# Altium PCB PCB.PcbDoc (part 5 of 10) (continued)
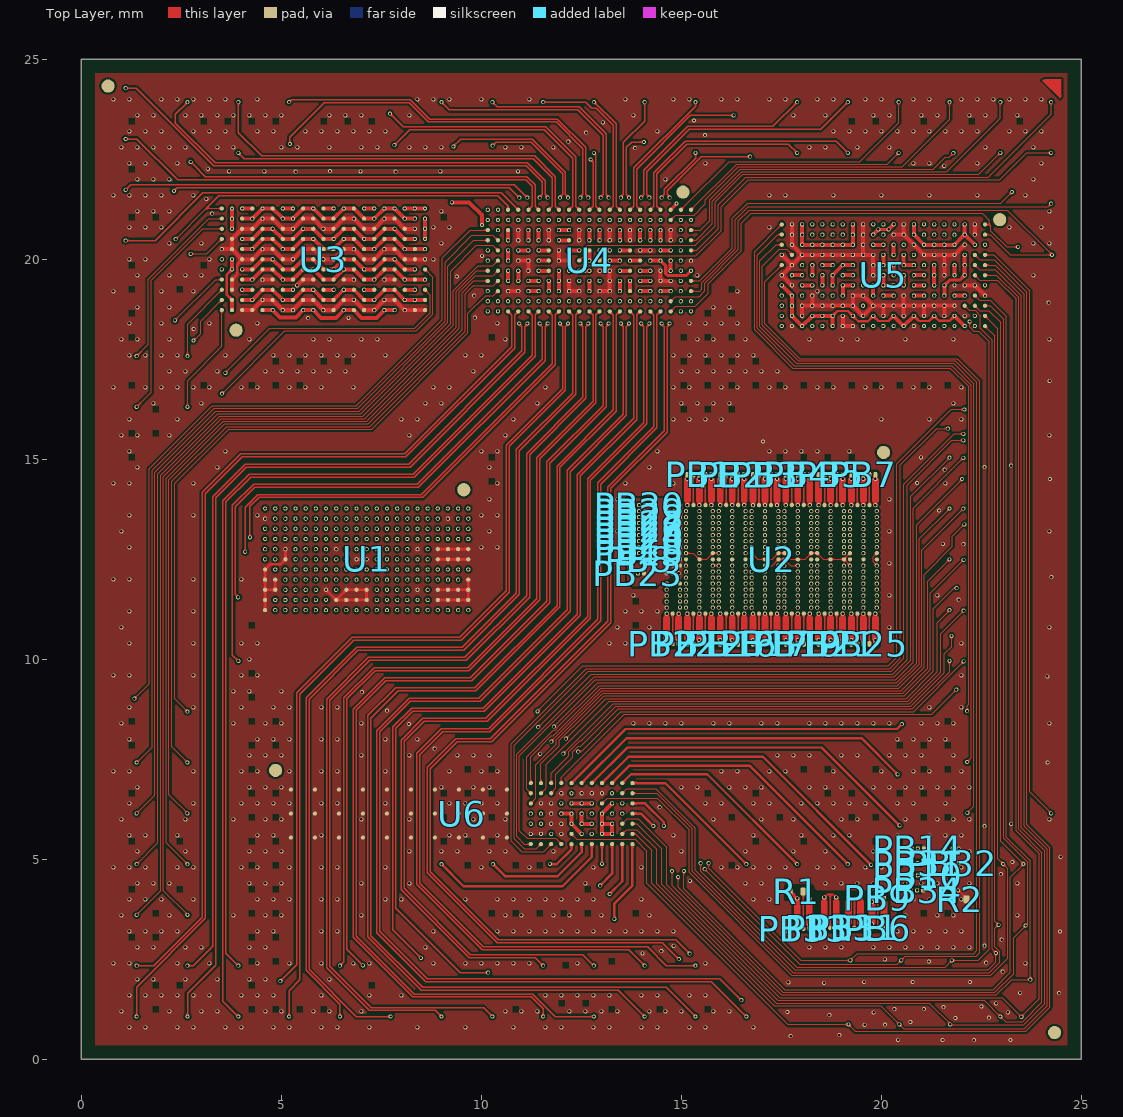
[diagram p0: Top Layer view]
## Nets (pads, with @x,y where several pads share a name; then routed paths per layer and width w, separated by ;. In a path a pad name is that pad's centre, name@x,y a point inside that pad or via, vN(x,y) a via of type N, cw(c..) or ccw(c..) an arc to the next point about the centre after c; other vN are vias at no path point) (continued)
  bu2 w0.03: v6(1.385,6.151) 1.957,6.723 1.957,10.062 4.269,12.374 5.483,12.374 v1(5.61,12.5) ; v5(13.467,9.701) 14.33,9.701 15.558,10.929 15.558,11.51 v2@15.787,11.739
  bu2b w0.1: v3(1.07,6.15) v4(1.27,6.15)
  bu1 w0.03: v6(1.385,6.151) 2.348,7.114 5.138,7.114 5.356,7.332 8.773,7.332 11.142,9.701 v5(13.467,9.701)
  bu1b w0.1: v3(1.07,6.15) v6(1.385,6.151)
  other v1: 1.385,6.151 15.787,11.744
  other v2: 1.385,6.151 15.787,11.744 5.61,12.5
  other v5: 1.385,6.151
  other v7: 1.385,6.151
  other v8: 1.07,6.15
  other v10: 1.07,6.15
sig_T1: J1.T1 U1.P8 U2.19 U5.T9 U6.D2 | length 59.7
  Top Layer w0.03: v1@15.065,4.707 15.065,4.269 17.589,1.745 22.8,1.745 23.228,2.173 23.228,4.554 23.557,4.883 22.982,5.458 22.982,18.422 22.684,18.72 22.458,18.72 U5.T9@22.338,18.84
  bu3 w0.03: v1(8.404,11.992) 8.406,11.913 8.529,11.79 8.529,11.717 8.672,11.574 8.735,11.574 8.915,11.394 10.354,11.394 v2(10.563,11.183) ; v1(13.522,6.143) 13.714,6.143 15.065,4.792 v1@15.065,4.707
  Core1 w0.1: v7@23.557,4.883 23.558,4.882 23.928,4.882 v10@23.93,4.88
  Core1b w0.1: v10@23.93,4.88 v6@24.244,4.88
  bu3b w0.1: v3@23.93,4.88 v4@24.13,4.88
  bu2 w0.03: v2(10.563,11.183) 10.725,11.023 10.725,9.689 13.962,6.452 20.491,6.452 21.237,5.706 22.734,5.706 v2@23.557,4.883 ; v2@19.217,11.594 19.387,11.424 19.387,10.683 v5@19.512,10.558
  bu2b w0.1: v8@23.93,4.88 v4@24.13,4.88
  bu1 w0.03: v5@19.512,10.558 19.66,10.41 19.66,7.168 21.033,5.795 23.357,5.795 23.557,5.595 v7@23.557,4.883
  bu1b w0.1: v8@23.93,4.88 v6@24.244,4.88
  other v1: 15.063,4.707 23.555,4.883 19.215,11.594
  other v2: 23.555,4.883 19.215,11.594
  other v3: 23.928,4.88
  other v4: 24.128,4.88
  other v5: 23.555,4.883 19.51,10.558
  other v6: 24.242,4.881
  other v7: 23.555,4.883
  other v8: 23.928,4.88
  other v10: 23.928,4.88
sig_T2: J1.T2 U1.Q10 U2.18 U5.U10 U6.C4 | length 57.3
  Top Layer w0.03: U6.C4@13.016,6.397 13.148,6.529 14.399,6.529 15.193,5.735 15.193,4.671 17.763,2.101 22.738,2.101 23.159,2.522 23.159,4.761 23.046,4.874 v2(23.046,4.882) 22.911,5.017 22.911,18.267 U5.U10@22.592,18.586
  bu3 w0.03: v1(8.658,11.484) 8.815,11.327 10.271,11.327 v2(10.415,11.183)
  Core1 w0.1: v2(23.046,4.882) v2(23.046,4.882) v10@22.661,4.881 ; v3(22.66,4.88) v10@22.661,4.881
  Core1b w0.1: v3(22.66,4.88) v6(22.975,4.881)
  bu3b w0.1: v3(22.66,4.88) v4(22.86,4.88)
  bu2 w0.03: v2(10.415,11.183) 10.642,10.956 10.642,9.655 13.91,6.387 20.438,6.387 21.191,5.634 22.294,5.634 v2(23.046,4.882) ; v1(19.217,11.444) 19.32,11.341 19.32,10.507 v5(19.41,10.417)
  bu2b w0.1: v3(22.66,4.88) v4(22.86,4.88)
  bu1 w0.03: v5(19.41,10.417) 19.559,10.268 19.559,7.158 21.835,4.882 v2(23.046,4.882)
  bu1b w0.1: v3(22.66,4.88) v6(22.975,4.881)
  other v1: 23.046,4.882
  other v2: 19.217,11.444
  other v5: 23.046,4.882
  other v7: 23.046,4.882
  other v8: 22.66,4.88
  other v10: 22.66,4.88
sig_T3: J1.T3 U1.U11 U2.17 | length 23.3
  bu3 w0.03: v1(9.674,11.23) 10.218,11.23 v2(10.415,11.033)
  Core1 w0.1: v8(21.39,4.88) v6(21.705,4.881)
  Core1b w0.1: v8(21.39,4.88) v6(21.705,4.881)
  bu3b w0.1: v8(21.39,4.88) v4(21.59,4.88)
  bu2 w0.03: v2(10.415,11.033) 10.555,10.893 10.555,9.619 13.848,6.326 20.383,6.326 21,5.709 v5@21,5.585 ; v2(19.217,11.294) 19.217,10.377 v5(19.391,10.203)
  bu2b w0.1: v8(21.39,4.88) v4(21.59,4.88)
  bu1 w0.03: v5(19.391,10.203) 19.391,10.191 19.452,10.13 19.452,7.133 21.372,5.213 v6(21.705,4.881)
  bu1b w0.1: v8(21.39,4.88) v6(21.705,4.881)
  other v1: 19.217,11.294
  other v3: 21.39,4.88
  other v5: 21.002,5.579
  other v7: 21.705,4.881
  other v10: 21.39,4.88
sig_T17: J1.T17 U1.H8 U2.150 | length 24.9
  Core1 w0.1: v10@3.61,4.88 v7@3.924,4.88
  Core1b w0.1: v10@3.61,4.88 v6@3.924,4.88
  bu3b w0.1: v3@3.61,4.88 v4@3.81,4.88
  bu2 w0.03: v5(3.922,4.881) 3.995,4.954 3.998,4.954 4.366,5.322 4.366,9.506 6.449,11.589 6.449,11.767 6.374,11.842 v2(6.372,11.992)
  bu2b w0.1: v8@3.61,4.88 v4@3.81,4.88
  bu1 w0.03: v7@3.925,4.881 5.981,6.937 9.092,6.937 11.335,9.18 13.291,9.18 13.311,9.16 13.595,9.16 13.654,9.219 14.086,9.219 15.787,10.92 v5@15.787,11.894
  bu1b w0.1: v8@3.61,4.88 v6@3.924,4.88
  other v1: 15.785,11.894 6.372,11.992
  other v2: 15.785,11.894
  other v3: 3.608,4.88
  other v4: 3.808,4.88
  other v5: 15.785,11.894
  other v6: 3.922,4.881
  other v7: 3.922,4.881
  other v8: 3.608,4.88
  other v10: 3.608,4.88
sig_T18: J1.T18 U1.E7 U2.147 U4.B7 | length 47
  Top Layer w0.03: v6(2.655,4.881) 2.121,5.414 2.121,14.53 3.543,15.952 7.131,15.952 9.45,18.271 9.45,19.187 9.854,19.591 10.293,19.591 U4.B7@10.416,19.714
  Core1 w0.1: v8(2.34,4.88) v6(2.655,4.881)
  Core1b w0.1: v8(2.34,4.88) v6(2.655,4.881)
  bu3b w0.1: v8(2.34,4.88) v4(2.54,4.88)
  bu2 w0.03: v6(2.655,4.881) 3.157,5.383 3.157,9.767 4.597,11.207 4.738,11.207 5.499,11.968 5.499,12.136 v2(5.61,12.246) ; v5(13.543,9.25) 14.071,9.25 15.684,10.863 15.684,11.341 v2(15.787,11.444)
  bu2b w0.1: v8(2.34,4.88) v4(2.54,4.88)
  bu1 w0.03: v6(2.655,4.881) 3.414,5.64 4.566,5.64 5.929,7.003 9.045,7.003 11.294,9.252 13.541,9.252 v5(13.543,9.25)
  bu1b w0.1: v8(2.34,4.88) v6(2.655,4.881)
  other v1: 2.655,4.881 15.787,11.444 5.61,12.246
  other v2: 2.655,4.881
  other v3: 2.34,4.88
  other v5: 2.655,4.881
  other v7: 2.655,4.881
  other v10: 2.34,4.88
sig_T19: J1.T19 U1.B7 U2.151 U4.B5 | length 50.1
  Top Layer w0.03: v7(1.385,4.881) 1.913,5.409 1.913,14.645 3.411,16.143 6.99,16.143 9.232,18.385 9.232,19.705 9.875,20.348 10.29,20.348 U4.B5@10.416,20.222
  Core1 w0.1: v3(1.07,4.88) v7(1.385,4.881)
  Core1b w0.1: v3(1.07,4.88) v7(1.385,4.881)
  bu3b w0.1: v3(1.07,4.88) v4(1.27,4.88)
  bu2 w0.03: v7(1.385,4.881) 2.026,5.522 2.026,10.011 4.261,12.246 v2(4.848,12.246)
  bu2b w0.1: v3(1.07,4.88) v4(1.27,4.88)
  bu1 w0.03: v7(1.385,4.881) 2.475,5.971 4.791,5.971 5.887,7.067 8.993,7.067 11.255,9.329 13.359,9.329 13.474,9.444 13.64,9.444 13.699,9.503 14.278,9.503 15.672,10.897 15.672,11.929 v2(15.787,12.044)
  bu1b w0.1: v3(1.07,4.88) v7(1.385,4.881)
  other v1: 1.385,4.881 15.787,12.044 4.848,12.246
  other v2: 1.385,4.881
  other v5: 1.385,4.881 15.787,12.044
  other v6: 1.385,4.881
  other v8: 1.07,4.88
  other v10: 1.07,4.88
sig_U1: J1.U1 U1.I6 U2.36 U5.U9 U6.D5 | length 66.6
  Top Layer w0.03: v1(14.923,4.557) 14.923,4.297 17.542,1.678 22.84,1.678 23.305,2.143 23.305,3.042 v2(23.608,3.345) 23.608,3.347 23.657,3.396 23.657,4.924 23.055,5.526 23.055,18.505 22.72,18.84 U5.U9@22.592,18.84
  bu3 w0.03: v1(12.762,6.143) 12.872,6.033 13.649,6.033 14.923,4.759 v1(14.923,4.557)
  Core1 w0.1: v2(23.608,3.345) 23.622,3.345 23.674,3.398 23.718,3.398 v8(23.93,3.61)
  Core1b w0.1: v8(23.93,3.61) v6(24.245,3.611)
  bu3b w0.1: v8(23.93,3.61) v4(24.13,3.61)
  bu2 w0.03: v1(6.626,12.5) 6.737,12.612 8.549,12.612 10.41,10.751 10.41,6.33 11.607,5.133 13.688,5.133 14.466,4.355 19.547,4.355 20.044,3.858 21.012,3.858 21.409,3.461 23.492,3.461 v2(23.608,3.345)
  bu2b w0.1: v8(23.93,3.61) v4(24.13,3.61)
  bu1 w0.03: v2(19.067,12.194) 19.272,11.989 19.272,10.09 19.337,10.025 19.337,6.409 21.216,4.53 22.113,4.53 23.298,3.345 v2(23.608,3.345)
  bu1b w0.1: v8(23.93,3.61) v6(24.245,3.611)
  other v1: 23.608,3.345 19.067,12.194
  other v2: 6.626,12.5
  other v3: 23.93,3.61
  other v5: 23.608,3.345 19.067,12.194
  other v7: 23.608,3.345
  other v10: 23.93,3.61
sig_U2: J1.U2 U1.L6 U2.30 U5.U11 U6.B1 | length 61.3
  Top Layer w0.03: U6.B1@13.778,6.651 14.387,6.651 15.274,5.764 15.274,4.697 17.802,2.169 22.702,2.169 22.962,2.429 22.962,2.694 22.841,2.815 22.841,3.272 v1(22.933,3.364) 22.84,3.457 22.84,18.084 U5.U11@22.592,18.332
  Core1 w0.1: v3(22.66,3.61) v7@22.896,3.374
  Core1b w0.1: v3(22.66,3.61) v6(22.975,3.611)
  bu3b w0.1: v3(22.66,3.61) v4(22.86,3.61)
  bu2 w0.03: v2(7.388,12.5) 8.493,12.5 10.326,10.667 10.326,6.279 11.549,5.056 13.638,5.056 14.41,4.284 19.508,4.284 20.01,3.782 20.973,3.782 21.391,3.364 v1(22.933,3.364) ; v5(18.956,10.347) 18.96,10.347 19.067,10.454 v2(19.067,11.294)
  bu2b w0.1: v3(22.66,3.61) v4(22.86,3.61)
  bu1 w0.03: v5(18.956,10.347) 18.956,10.221 18.989,10.188 18.989,6.377 21.038,4.328 21.969,4.328 v1(22.933,3.364)
  bu1b w0.1: v3(22.66,3.61) v6(22.975,3.611)
  other v1: 19.067,11.294 7.388,12.5
  other v2: 22.933,3.364
  other v5: 22.933,3.364
  other v7: 22.933,3.364
  other v8: 22.66,3.61
  other v10: 22.66,3.61
sig_U3: J1.U3 U1.H6 U2.33 | length 31.9
  Core1 w0.1: v7(20.974,3.61) v3(21.39,3.61)
  Core1b w0.1: v3(21.39,3.61) v6(21.705,3.611)
  bu3b w0.1: v3(21.39,3.61) v4(21.59,3.61)
  bu2 w0.03: v1(6.372,12.5) 6.509,12.363 8.468,12.363 10.245,10.586 10.245,6.23 11.491,4.984 13.589,4.984 14.368,4.205 19.482,4.205 19.983,3.704 20.88,3.704 v7(20.974,3.61) ; v5(18.459,10.019) 18.459,10.072 18.663,10.276 18.663,10.507 18.827,10.671 18.827,11.499 v2@19.067,11.739
  bu2b w0.1: v3(21.39,3.61) v4(21.59,3.61)
  bu1 w0.03: v5(18.459,10.019) 18.371,9.931 18.373,9.93 18.373,9.433 18.332,9.392 18.332,6.249 19.608,4.973 19.608,4.773 19.757,4.624 19.96,4.624 v7(20.974,3.61)
  bu1b w0.1: v3(21.39,3.61) v6(21.705,3.611)
  other v1: 19.067,11.744
  other v2: 19.067,11.744 6.372,12.5
  other v5: 20.974,3.61
  other v8: 21.39,3.61
  other v10: 21.39,3.61
sig_U4: J1.U4 U1.O7 U2.48 | length 29.2
  Core1 w0.1: v3(20.12,3.61) v6(20.435,3.611)
  Core1b w0.1: v3(20.12,3.61) v6(20.435,3.611)
  bu3b w0.1: v3(20.12,3.61) v4(20.32,3.61)
  bu2 w0.03: v2(8.15,12.246) 8.419,12.246 10.162,10.503 10.162,6.189 11.576,4.775 13.688,4.775 14.336,4.127 19.084,4.127 19.601,3.611 v6(20.435,3.611) ; v5(18.079,9.623) 18.079,10.178 18.558,10.657 18.558,11.433 v1(18.397,11.594)
  bu2b w0.1: v3(20.12,3.61) v4(20.32,3.61)
  bu1 w0.03: v5(18.079,9.623) 18.079,5.552 20.021,3.611 v6(20.435,3.611)
  bu1b w0.1: v3(20.12,3.61) v6(20.435,3.611)
  other v1: 8.15,12.246
  other v2: 18.397,11.594
  other v5: 20.435,3.611
  other v7: 20.435,3.611
  other v8: 20.12,3.61
  other v10: 20.12,3.61
sig_U5: J1.U5 U1.N7 U2.50 | length 27.8
  Core1 w0.1: v3(18.85,3.61) v7(19.165,3.611)
  Core1b w0.1: v3(18.85,3.61) v7(19.165,3.611)
  bu3b w0.1: v3(18.85,3.61) v4(19.05,3.61)
  bu2 w0.03: v1(7.896,12.246) 8.025,12.117 8.384,12.117 10.08,10.421 10.08,6.145 11.524,4.701 13.648,4.701 14.301,4.048 18.727,4.048 v7(19.165,3.611)
  bu2b w0.1: v3(18.85,3.61) v4(19.05,3.61)
  bu1 w0.03: v1(18.397,11.894) 18.397,10.56 17.977,10.14 17.977,9.991 17.822,9.836 17.822,9.594 17.839,9.577 17.839,5.439 19.165,4.114 v7(19.165,3.611)
  bu1b w0.1: v3(18.85,3.61) v7(19.165,3.611)
  other v2: 18.397,11.894 7.896,12.246
  other v5: 19.165,3.611 18.397,11.894
  other v6: 19.165,3.611
  other v8: 18.85,3.61
  other v10: 18.85,3.61
sig_U6: J1.U6 U1.M7 U2.63 | length 26.4
  Core1 w0.1: v3(17.58,3.61) v6(17.895,3.611)
  Core1b w0.1: v3(17.58,3.61) v6(17.895,3.611)
  bu3b w0.1: v3(17.58,3.61) v4(17.78,3.61)
  bu2 w0.03: v1(7.642,12.246) 7.826,12.062 8.289,12.062 10.005,10.346 10.005,6.095 11.712,4.388 12.566,4.388 12.986,3.968 17.537,3.968 v6(17.895,3.611)
  bu2b w0.1: v3(17.58,3.61) v4(17.78,3.61)
  bu1 w0.03: v6(17.895,3.611) 17.557,3.948 17.557,9.492 17.64,9.575 17.64,9.975 18.247,10.582 18.247,11.059 v5(18.247,11.894)
  bu1b w0.1: v3(17.58,3.61) v6(17.895,3.611)
  other v1: 18.247,11.894
  other v2: 18.247,11.894 7.642,12.246
  other v5: 17.895,3.611
  other v7: 17.895,3.611
  other v8: 17.58,3.61
  other v10: 17.58,3.61
sig_U7: J1.U7 U1.M8 U2.62 | length 25.1
  Core1 w0.1: v10@16.31,3.61 v7@16.624,3.61
  Core1b w0.1: v10@16.31,3.61 v6@16.624,3.61
  bu3b w0.1: v3@16.31,3.61 v4@16.51,3.61
  bu2 w0.03: v2(7.642,11.992) 7.649,11.987 8.241,11.987 9.927,10.301 9.927,6.048 11.665,4.31 12.514,4.31 12.94,3.884 16.351,3.884 v5@16.625,3.611 ; v5@17.119,9.867 17.119,10.03 18.018,10.929 18.018,11.51 v2@18.247,11.739
  bu2b w0.1: v8@16.31,3.61 v4@16.51,3.61
  bu1 w0.03: v5@16.625,3.611 17.119,4.105 v5@17.119,9.867
  bu1b w0.1: v8@16.31,3.61 v6@16.624,3.61
  other v1: 18.245,11.744 7.642,11.992
  other v2: 18.245,11.744
  other v3: 16.308,3.61
  other v4: 16.508,3.61
  other v5: 16.622,3.611 17.117,9.867
  other v6: 16.622,3.611
  other v7: 16.622,3.611
  other v8: 16.308,3.61
  other v10: 16.308,3.61
sig_U8: J1.U8 U1.L7 U2.77 | length 24.6
  Core1 w0.1: v8(15.04,3.61) v7(15.355,3.611)
  Core1b w0.1: v8(15.04,3.61) v7(15.355,3.611)
  bu3b w0.1: v8(15.04,3.61) v4(15.24,3.61)
  bu2 w0.03: v1(7.388,12.246) 7.52,12.114 7.52,11.914 7.965,11.469 8.543,11.469 9.85,10.162 9.85,6.002 11.62,4.232 12.469,4.232 12.898,3.803 15.162,3.803 v7(15.355,3.611) ; v5(16.79,9.373) 16.79,9.944 17.738,10.892 17.738,11.433 v2(17.577,11.594)
  bu2b w0.1: v8(15.04,3.61) v4(15.24,3.61)
  bu1 w0.03: v7(15.355,3.611) 15.625,3.611 16.79,4.776 v5(16.79,9.373)
  bu1b w0.1: v8(15.04,3.61) v7(15.355,3.611)
  other v1: 17.577,11.594
  other v2: 7.388,12.246
  other v3: 15.04,3.61
  other v5: 15.355,3.611
  other v6: 15.355,3.611
  other v10: 15.04,3.61
sig_U9: J1.U9 U1.L8 U2.79 | length 24.4
  Core1 w0.1: v10@13.77,3.61 14.001,3.379 v7@14.236,3.379
  Core1b w0.1: v10@13.77,3.61 v6@14.084,3.61
  bu3b w0.1: v3@13.77,3.61 v4@13.97,3.61
  bu2 w0.03: v1(7.388,11.992) 7.39,11.875 7.901,11.364 8.509,11.364 9.766,10.107 9.766,5.97 11.58,4.156 12.423,4.156 13.2,3.379 v5@14.236,3.379
  bu2b w0.1: v8@13.77,3.61 v4@13.97,3.61
  bu1 w0.03: v5@14.236,3.379 14.259,3.379 16.55,5.67 16.55,9.327 16.533,9.344 16.533,9.586 16.564,9.617 16.564,9.877 17.577,10.89 v5@17.577,11.894
  bu1b w0.1: v8@13.77,3.61 v6@14.084,3.61
  other v1: 17.575,11.894
  other v2: 17.575,11.894 7.388,11.992
  other v3: 13.768,3.61
  other v4: 13.968,3.61
  other v5: 14.234,3.379 17.575,11.894
  other v6: 14.082,3.611
  other v7: 14.234,3.379
  other v8: 13.768,3.61
  other v10: 13.768,3.61
sig_U10: J1.U10 U1.K7 U2.92 | length 24.3
  Core1 w0.1: v3(12.5,3.61) 12.501,3.61 12.722,3.389 v7(12.982,3.389)
  Core1b w0.1: v3(12.5,3.61) v6(12.815,3.611)
  bu3b w0.1: v3(12.5,3.61) v4(12.7,3.61)
  bu2 w0.03: v1(7.134,12.246) 7.267,12.113 7.267,11.857 7.845,11.279 8.433,11.279 9.686,10.026 9.686,5.938 11.543,4.081 12.29,4.081 v7(12.982,3.389)
  bu2b w0.1: v3(12.5,3.61) v4(12.7,3.61)
  bu1 w0.03: v7(12.982,3.389) 13.29,3.697 13.702,3.697 16.285,6.28 16.285,8.942 16.27,8.957 16.27,9.044 16.313,9.087 16.313,9.806 17.427,10.92 v5(17.427,11.894)
  bu1b w0.1: v3(12.5,3.61) v6(12.815,3.611)
  other v1: 17.427,11.894
  other v2: 17.427,11.894 7.134,12.246
  other v5: 12.982,3.389
  other v8: 12.5,3.61
  other v10: 12.5,3.61
sig_U11: J1.U11 U1.P11 U2.90 | length 24.2
  bu3 w0.03: v2(8.404,9.756) v1(8.404,11.23)
  Core1 w0.1: v8(11.23,3.61) 11.232,3.608 11.232,2.91 11.251,2.891 v5(11.251,2.877)
  Core1b w0.1: v8(11.23,3.61) v6(11.545,3.611)
  bu3b w0.1: v8(11.23,3.61) v4(11.43,3.61)
  bu2 w0.03: v2(8.404,9.756) 8.404,4.776 10.303,2.877 v5(11.251,2.877) ; v5(16.049,9.285) v5(16.049,9.285) 16.05,9.684 17.261,10.895 17.261,11.428 v2(17.427,11.594)
  bu2b w0.1: v8(11.23,3.61) v4(11.43,3.61)
  bu1 w0.03: v5(11.251,2.877) 11.234,2.894 11.234,3.407 12.023,4.196 13.093,4.196 13.141,4.244 13.895,4.244 16.049,6.398 v5(16.049,9.285)
  bu1b w0.1: v8(11.23,3.61) v6(11.545,3.611)
  other v1: 17.427,11.594
  other v3: 11.23,3.61
  other v7: 11.251,2.877
  other v10: 11.23,3.61
sig_U12: J1.U12 U1.O8 U2.107 | length 24.4
  bu3 w0.03: v1(8.15,11.992) 8.277,11.867 v2@8.277,9.606
  Core1 w0.1: v7@9.941,3.081 9.951,3.09 9.951,3.601 v10@9.96,3.61
  Core1b w0.1: v10@9.96,3.61 v6@10.274,3.61
  bu3b w0.1: v3@9.96,3.61 v4@10.16,3.61
  bu2 w0.03: v2@8.277,9.606 8.277,4.745 v5@9.941,3.081 ; v5@15.771,8.772 15.771,9.644 16.983,10.856 16.983,11.513 v2@16.757,11.739
  bu2b w0.1: v8@9.96,3.61 v4@10.16,3.61
  bu1 w0.03: v5@9.941,3.081 9.941,3.277 11.168,4.504 13.832,4.504 15.771,6.443 v5@15.771,8.772
  bu1b w0.1: v8@9.96,3.61 v6@10.274,3.61
  other v1: 16.755,11.744
  other v2: 8.275,9.606 16.755,11.744
  other v3: 9.958,3.61
  other v4: 10.158,3.61
  other v5: 9.939,3.081 15.769,8.772
  other v6: 10.272,3.611
  other v7: 9.939,3.081
  other v8: 9.958,3.61
  other v10: 9.958,3.61
sig_U13: J1.U13 U1.M10 U2.109 | length 24.1
  bu3 w0.03: v2(7.515,9.606) 7.515,11.37 7.629,11.484 v1(7.642,11.484)
  Core1 w0.1: v8(8.69,3.61) 8.69,3.556 8.813,3.432 8.813,3.35 v7(8.823,3.34)
  Core1b w0.1: v8(8.69,3.61) v6(9.005,3.611)
  bu3b w0.1: v8(8.69,3.61) v4(8.89,3.61)
  bu2 w0.03: v2(7.515,9.606) 7.515,4.648 v7(8.823,3.34)
  bu2b w0.1: v8(8.69,3.61) v4(8.89,3.61)
  bu1 w0.03: v7(8.823,3.34) 9.162,3.34 10.866,5.044 13.763,5.044 14.155,5.436 14.155,5.97 15.532,7.347 15.532,8.823 15.514,8.841 15.514,8.945 15.566,8.997 15.566,9.593 16.864,10.891 16.864,11.937 v2(16.757,12.044)
  bu1b w0.1: v8(8.69,3.61) v6(9.005,3.611)
  other v1: 16.757,12.044
  other v3: 8.69,3.61
  other v5: 8.823,3.34 16.757,12.044
  other v10: 8.69,3.61
sig_U14: J1.U14 U1.J11 U2.104 | length 23.4
  bu3 w0.03: v2(6.88,9.756) v1(6.88,11.23)
  Core1 w0.1: v3(7.42,3.61) 7.458,3.572 7.623,3.572 7.672,3.522 v5(7.686,3.522)
  Core1b w0.1: v3(7.42,3.61) v6(7.735,3.611)
  bu3b w0.1: v3(7.42,3.61) v4(7.62,3.61)
  bu2 w0.03: v2(6.88,9.756) 6.88,4.406 7.417,3.869 7.417,3.791 v5(7.686,3.522) ; v5(15.293,9.186) 15.293,9.471 16.757,10.935 v2(16.757,11.294)
  bu2b w0.1: v3(7.42,3.61) v4(7.62,3.61)
  bu1 w0.03: v5(7.686,3.522) 7.686,3.562 8.433,4.309 8.965,4.309 9.902,5.246 13.639,5.246 13.924,5.531 13.924,6.065 15.293,7.434 v5(15.293,9.186)
  bu1b w0.1: v3(7.42,3.61) v6(7.735,3.611)
  other v1: 16.757,11.294
  other v7: 7.686,3.522
  other v8: 7.42,3.61
  other v10: 7.42,3.61
sig_U15: J1.U15 U1.G10 U2.118 | length 24
  bu3 w0.03: v2(5.991,9.606) 5.991,11.37 6.105,11.484 v1(6.118,11.484)
  Core1 w0.1: v8(6.15,3.61) v7(6.465,3.611)
  Core1b w0.1: v8(6.15,3.61) v7(6.465,3.611)
  bu3b w0.1: v8(6.15,3.61) v4(6.35,3.61)
  bu2 w0.03: v2(5.991,9.606) 5.991,4.343 6.465,3.87 v7(6.465,3.611) ; v5(15.001,8.826) 15.001,9.36 16.504,10.863 16.504,11.341 v1(16.607,11.444)
  bu2b w0.1: v8(6.15,3.61) v4(6.35,3.61)
  bu1 w0.03: v7(6.465,3.611) 7.185,3.611 9.504,5.929 9.741,5.929 11.039,7.227 14.332,7.227 15.001,7.896 v5(15.001,8.826)
  bu1b w0.1: v8(6.15,3.61) v7(6.465,3.611)
  other v2: 16.607,11.444
  other v3: 6.15,3.61
  other v5: 6.465,3.611
  other v6: 6.465,3.611
  other v10: 6.15,3.61
sig_U16: J1.U16 U1.C10 U2.123 | length 25.7
  bu3 w0.03: v2(4.973,9.604) 4.975,9.606 4.975,11.369 5.09,11.484 v1(5.102,11.484)
  Core1 w0.1: v8(4.88,3.61) v7(5.195,3.611)
  Core1b w0.1: v8(4.88,3.61) v7(5.195,3.611)
  bu3b w0.1: v8(4.88,3.61) v4(5.08,3.61)
  bu2 w0.03: v2(4.973,9.604) 4.973,9.598 5.018,9.553 5.018,3.976 5.195,3.8 v7(5.195,3.611)
  bu2b w0.1: v8(4.88,3.61) v4(5.08,3.61)
  bu1 w0.03: v7(5.195,3.611) 5.827,3.611 8.363,6.147 9.62,6.147 10.94,7.467 14.232,7.467 14.761,7.996 14.761,8.78 14.744,8.797 14.744,9.039 14.78,9.075 14.78,9.282 16.391,10.893 16.391,11.978 v5(16.607,12.194)
  bu1b w0.1: v8(4.88,3.61) v7(5.195,3.611)
  other v1: 16.607,12.194
  other v2: 16.607,12.194
  other v3: 4.88,3.61
  other v5: 5.195,3.611
  other v6: 5.195,3.611
  other v10: 4.88,3.61
sig_U17: J1.U17 U1.H7 U2.137 | length 27.8
  Core1 w0.1: v3(3.61,3.61) v6(3.925,3.611)
  Core1b w0.1: v3(3.61,3.61) v6(3.925,3.611)
  bu3b w0.1: v3(3.61,3.61) v4(3.81,3.61)
  bu2 w0.03: v6(3.925,3.611) 4.442,4.128 4.442,9.421 6.594,11.573 6.594,11.742 6.504,11.832 6.504,12.114 v2(6.372,12.246)
  bu2b w0.1: v3(3.61,3.61) v4(3.81,3.61)
  bu1 w0.03: v6(3.925,3.611) 4.356,3.611 7.411,6.666 9.327,6.666 10.702,8.041 13.987,8.041 14.129,8.183 14.129,8.565 14.112,8.582 14.112,8.824 14.147,8.859 14.147,9.094 15.937,10.884 v5(15.937,11.894)
  bu1b w0.1: v3(3.61,3.61) v6(3.925,3.611)
  other v1: 15.937,11.894 6.372,12.246
  other v2: 15.937,11.894
  other v5: 3.925,3.611
  other v7: 3.925,3.611
  other v8: 3.61,3.61
  other v10: 3.61,3.61
sig_U18: J1.U18 U1.F6 U2.133 U4.A7 | length 50.4
  Top Layer w0.03: v7(2.655,3.611) 2.05,4.215 2.05,14.568 3.498,16.016 7.087,16.016 9.378,18.307 9.378,19.204 9.888,19.714 U4.A7@10.162,19.714
  Core1 w0.1: v3(2.34,3.61) v7(2.655,3.611)
  Core1b w0.1: v3(2.34,3.61) v7(2.655,3.611)
  bu3b w0.1: v3(2.34,3.61) v4(2.54,3.61)
  bu2 w0.03: v7(2.655,3.611) 3.26,4.216 3.26,9.725 4.644,11.109 4.785,11.109 5.705,12.029 5.705,12.342 v1(5.864,12.5) ; v5(14.049,8.91) 14.049,9.047 15.937,10.935 v1(15.937,11.294)
  bu2b w0.1: v3(2.34,3.61) v4(2.54,3.61)
  bu1 w0.03: v7(2.655,3.611) 3.698,3.611 6.89,6.803 9.2,6.803 10.622,8.225 13.366,8.225 14.049,8.908 v5(14.049,8.91)
  bu1b w0.1: v3(2.34,3.61) v7(2.655,3.611)
  other v1: 2.655,3.611
  other v2: 2.655,3.611 15.937,11.294 5.864,12.5
  other v5: 2.655,3.611
  other v6: 2.655,3.611
  other v8: 2.34,3.61
  other v10: 2.34,3.61
sig_U19: J1.U19 U1.C7 U2.146 U4.B6 | length 52.2
  Top Layer w0.03: v7(1.385,3.611) 1.984,4.21 1.984,14.604 3.462,16.082 7.039,16.082 9.304,18.347 9.304,19.218 9.927,19.841 10.289,19.841 U4.B6@10.416,19.968
  Core1 w0.1: v3(1.07,3.61) v7(1.385,3.611)
  Core1b w0.1: v3(1.07,3.61) v7(1.385,3.611)
  bu3b w0.1: v3(1.07,3.61) v4(1.27,3.61)
  bu2 w0.03: v7(1.385,3.611) 2.098,4.324 2.098,9.966 4.269,12.137 4.9,12.137 5.009,12.246 v1(5.102,12.246) ; v5(13.677,9.09) 14.005,9.09 15.787,10.872 v2(15.787,11.294)
  bu2b w0.1: v3(1.07,3.61) v4(1.27,3.61)
  bu1 w0.03: v7(1.385,3.611) 2.105,3.611 3.028,4.533 3.692,4.533 3.95,4.791 3.96,4.791 4.012,4.843 4.012,4.853 6.027,6.868 9.136,6.868 11.358,9.09 v5(13.677,9.09)
  bu1b w0.1: v3(1.07,3.61) v7(1.385,3.611)
  other v1: 1.385,3.611 15.787,11.294
  other v2: 1.385,3.611 5.102,12.246
  other v5: 1.385,3.611
  other v6: 1.385,3.611
  other v8: 1.07,3.61
  other v10: 1.07,3.61
sig_V1: J1.V1 U1.K8 U2.35 U5.T8 U6.F5 | length 68.8
  Top Layer w0.03: v1@14.77,4.705 14.77,4.338 17.499,1.609 22.873,1.609 23.257,1.993 v1@23.727,1.993 ; U5.T8@22.338,19.094 22.46,18.972 22.728,18.972 23.129,18.571 23.129,5.555 23.725,4.959 v5(23.725,1.993)
  bu3 w0.03: v1(12.76,5.635) 12.768,5.635 12.89,5.757 13.718,5.757 v1@14.77,4.705
  Core1 w0.1: v7@23.727,1.993 23.733,1.999 23.733,2.143 v10@23.93,2.34
  Core1b w0.1: v10@23.93,2.34 v6@24.244,2.34
  bu3b w0.1: v3@23.93,2.34 v4@24.13,2.34
  bu2 w0.03: v2(7.134,11.992) 7.136,11.872 7.818,11.19 8.35,11.19 9.6,9.94 9.6,5.174 10.969,3.805 12.178,3.805 12.85,3.133 23.068,3.133 23.727,2.474 v2@23.727,1.993
  bu2b w0.1: v8@23.93,2.34 v4@24.13,2.34
  bu1 w0.03: v5@19.067,12.044 19.197,11.914 19.197,6.411 21.155,4.453 22.088,4.453 23.301,3.24 23.301,2.419 v7@23.727,1.993
  bu1b w0.1: v8@23.93,2.34 v6@24.244,2.34
  other v1: 23.725,1.993 14.768,4.705 7.134,11.992 19.065,12.044
  other v2: 23.725,1.993 19.065,12.044
  other v3: 23.928,2.34
  other v4: 24.128,2.34
  other v5: 19.065,12.044
  other v6: 24.242,2.341
  other v7: 23.725,1.993
  other v8: 23.928,2.34
  other v10: 23.928,2.34
sig_V2: J1.V2 U1.J7 U2.31 U5.S9 U6.B2 | length 63.9
  Top Layer w0.03: U6.B2@13.524,6.651 13.64,6.767 14.363,6.767 15.353,5.777 15.353,4.724 17.841,2.236 22.675,2.236 22.861,2.422 v7(22.861,2.659) 22.773,2.747 22.773,17.972 22.473,18.272 22.473,18.595 22.346,18.722 22.202,18.722 U5.S9@22.084,18.84
  Core1 w0.1: v3(22.66,2.34) 22.66,2.381 22.851,2.573 22.851,2.649 v7(22.861,2.659)
  Core1b w0.1: v3(22.66,2.34) v6(22.975,2.341)
  bu3b w0.1: v3(22.66,2.34) v4(22.86,2.34)
  bu2 w0.03: v2(6.88,12.246) 7.013,12.113 7.013,11.858 7.763,11.108 8.276,11.108 9.522,9.862 9.522,5.142 10.934,3.73 12.128,3.73 12.792,3.066 22.454,3.066 v7(22.861,2.659) ; v5(18.849,10.139) 18.849,10.429 18.972,10.552 18.972,11.349 v1(19.067,11.444)
  bu2b w0.1: v3(22.66,2.34) v4(22.86,2.34)
  bu1 w0.03: v5(18.849,10.139) 18.75,10.04 18.75,6.503 22.594,2.659 v7(22.861,2.659)
  bu1b w0.1: v3(22.66,2.34) v6(22.975,2.341)
  other v1: 22.861,2.659 6.88,12.246
  other v2: 22.861,2.659 19.067,11.444
  other v5: 22.861,2.659
  other v8: 22.66,2.34
  other v10: 22.66,2.34
sig_V3: J1.V3 U1.J8 U2.49 U5.I9 U6.C2 | length 65.1
  Top Layer w0.03: v1@15.484,4.902 15.484,4.706 17.888,2.302 21.596,2.302 21.766,2.472 22.423,2.472 22.704,2.753 22.704,17.937 22.433,18.208 22.314,18.208 22.212,18.31 v1@22.212,18.446
  bu3 w0.03: v1(13.522,6.397) 13.84,6.713 14.523,6.713 15.484,5.752 v1@15.484,4.902 ; v1(19.542,18.84) 19.686,18.698 21.886,18.698 21.956,18.628 21.956,18.529 22.039,18.446 v1@22.212,18.446
  Core1 w0.1: v10@21.39,2.34 21.428,2.378 21.659,2.378 21.752,2.472 v7@21.766,2.472
  Core1b w0.1: v10@21.39,2.34 v6@21.704,2.34
  bu3b w0.1: v3@21.39,2.34 v4@21.59,2.34
  bu2 w0.03: v1(6.88,11.992) 6.882,11.859 7.717,11.024 8.203,11.024 9.443,9.784 9.443,5.089 10.879,3.653 12.075,3.653 12.726,3.002 21.236,3.002 v2@21.766,2.472 ; v5@18.237,9.508 18.237,10.21 18.623,10.596 18.623,11.518 18.53,11.611 18.402,11.739 v2@18.397,11.739
  bu2b w0.1: v8@21.39,2.34 v4@21.59,2.34
  bu1 w0.03: v5@18.237,9.508 18.237,6.244 19.537,4.944 19.537,4.735 19.719,4.553 19.919,4.553 20.75,3.722 20.75,3.411 21.689,2.472 v7@21.766,2.472
  bu1b w0.1: v8@21.39,2.34 v6@21.704,2.34
  other v1: 21.764,2.472 15.482,4.902 18.395,11.744 22.21,18.446
  other v2: 21.764,2.472 18.395,11.744 6.88,11.992
  other v3: 21.388,2.34
  other v4: 21.588,2.34
  other v5: 21.764,2.472 18.235,9.508
  other v6: 21.702,2.341
  other v7: 21.764,2.472
  other v8: 21.388,2.34
  other v10: 21.388,2.34
sig_V4: J1.V4 U1.I7 U2.51 U5.A5 U6.D3 | length 67.2
  Top Layer w0.03: v1(15.584,4.752) 17.961,2.375 20.399,2.375 v5(20.496,2.472) 20.602,2.578 22.369,2.578 22.459,2.668 22.459,16.953 21.894,17.518 17.958,17.518 17.09,18.385 17.09,19.434 U5.A5@17.512,19.856
  bu3 w0.03: v1(13.27,6.143) 13.393,6.266 13.393,6.469 13.754,6.83 14.518,6.83 15.584,5.764 v1(15.584,4.752)
  Core1 w0.1: v3(20.12,2.34) 20.158,2.378 20.389,2.378 20.482,2.472 v5(20.496,2.472)
  Core1b w0.1: v3(20.12,2.34) v6(20.435,2.341)
  bu3b w0.1: v3(20.12,2.34) v4(20.32,2.34)
  bu2 w0.03: v2(6.626,12.246) 6.76,12.112 6.76,11.833 7.65,10.943 8.136,10.943 9.369,9.71 9.369,5.04 10.842,3.567 12.019,3.567 12.653,2.933 20.035,2.933 v5(20.496,2.472)
  bu2b w0.1: v3(20.12,2.34) v4(20.32,2.34)
  bu1 w0.03: v1(18.397,12.044) 18.504,11.937 18.504,10.425 18.141,10.062 18.141,9.842 17.98,9.681 17.98,9.577 17.998,9.559 17.998,5.523 20.496,3.025 v5(20.496,2.472)
  bu1b w0.1: v3(20.12,2.34) v6(20.435,2.341)
  other v1: 20.496,2.472 6.626,12.246
  other v2: 20.496,2.472 18.397,12.044
  other v5: 18.397,12.044
  other v7: 20.496,2.472
  other v8: 20.12,2.34
  other v10: 20.12,2.34